# Altium PCB ISS_PCB.PcbDoc (part 2 of 4)
Units mm, origin at the board's own origin, x right, y up, seen from the top; angles counter-clockwise.
Board outline 90 x 90 mm, 4 copper layers (Signal+Parts, Power, GND, Signal), stack 1.591 mm thick; 230 components, 176 nets, 945 pads, 541 vias.
Unrouted connection lines stored in the file: 132.
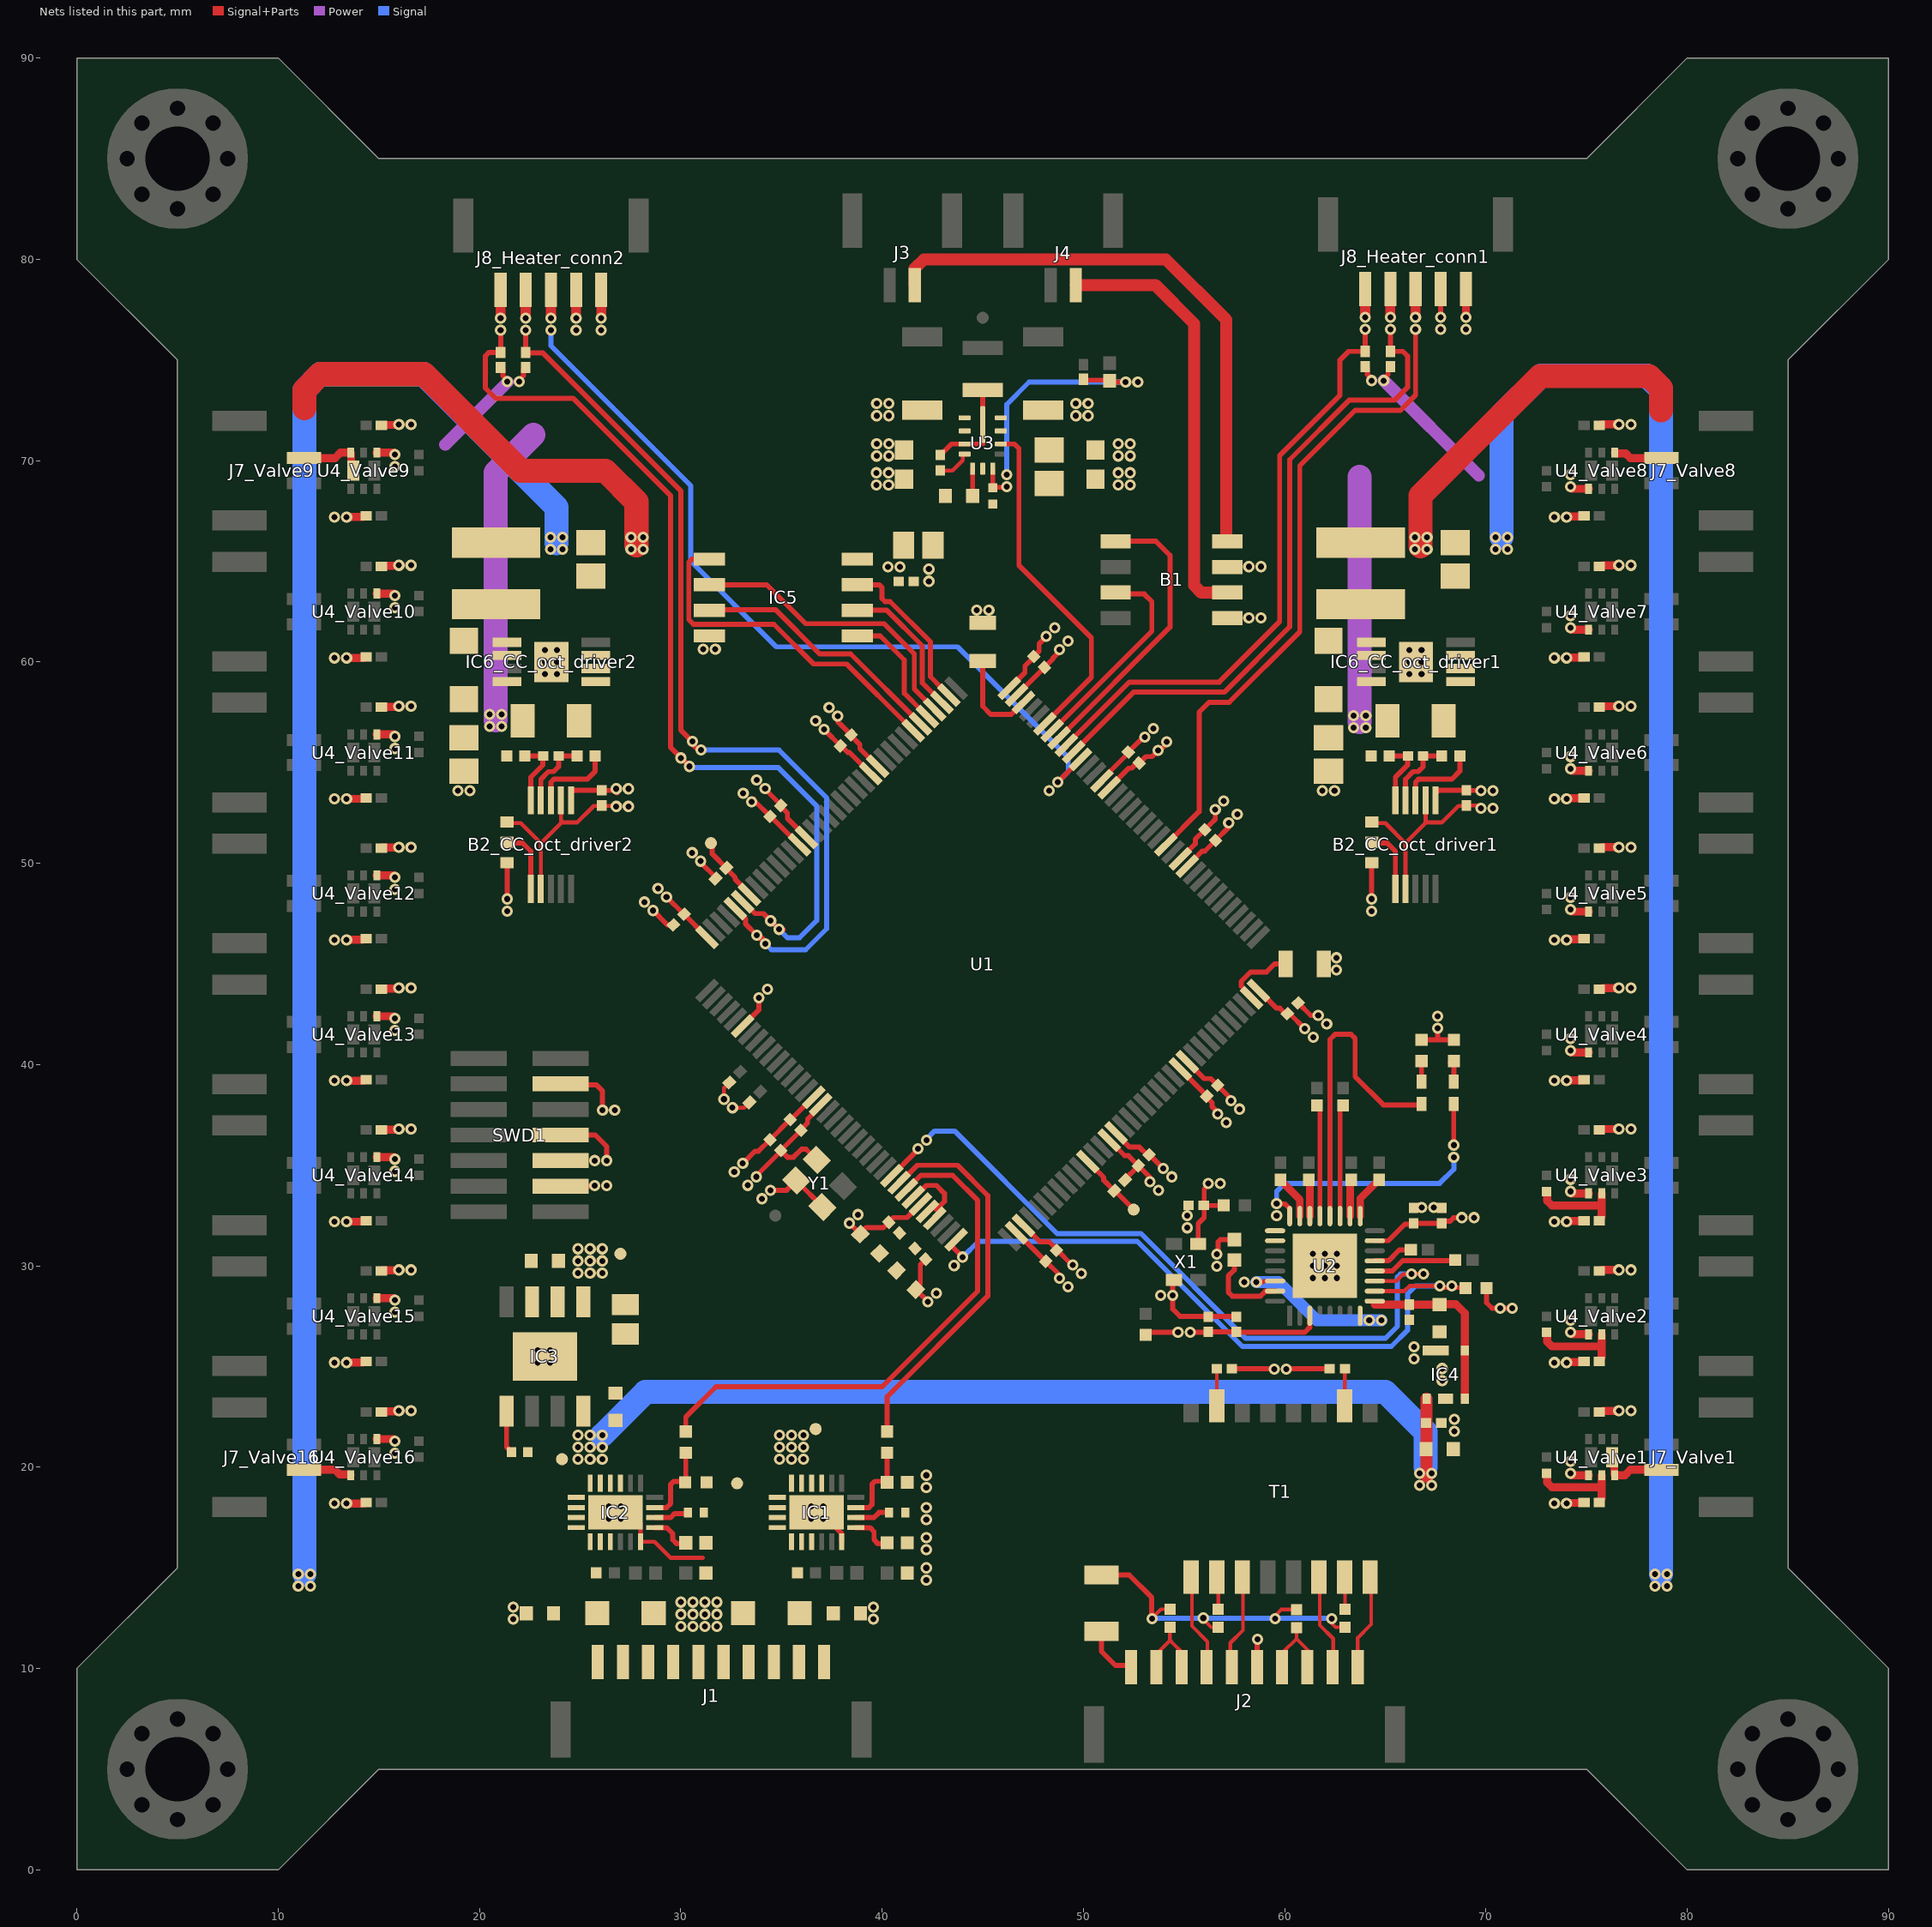
[diagram p4: the nets of this part, all layers, seen from the top]

## Part data
B1: "Smart Low Side Switch ICs", Manufacturer_Name="ROHM Semiconductor", Mouser Part Number=755-BM2LC105FJ-CE2, Datasheet Link=https://www.mouser.de/datasheet/2/348/bxxlc105fj-c-e-1807787.pdf, Geometry.Height=1.65mm, Manufacturer_Part_Number=BM2LC105FJ-CE2, Mouser Price/Stock=https://www.mouser.co.uk/ProductDetail/ROHM-Semiconductor/BM2LC105FJ-CE2?qs=YCa%2FAAYMW02vvU7sqt7v8g%3D%3D
B2_CC_oct_driver1 B2_CC_oct_driver2: "Automotive, 26-V, Bi-Directional, Zero-Drift, Low-/High-Side, I2C Out Current/Power Monitor", Manufacturer_Name="Texas Instruments", Mouser Part Number=595-INA220BQDGSRQ1, Datasheet Link=http://www.ti.com/lit/gpn/ina220-q1, Geometry.Height=1.1mm, Manufacturer_Part_Number=INA220BQDGSRQ1, Mouser Price/Stock=https://www.mouser.co.uk/ProductDetail/Texas-Instruments/INA220BQDGSRQ1?qs=4whTb%2F0XQMgSmfUlXJGxRQ%3D%3D
C1 C3 C4 C5 C8 C9 C12 C27 C40: library part CMP-2006-02363-4, Capacitance=1µF, Case Code (Imperial)=0603, Case Code (Metric)=1608, Dielectric=X7R, Manufacturer Lifecycle Status="IN PRODUCTION", Max Operating Temperature=125°C, Min Operating Temperature=-55°C, Ratings=AEC-Q200, Tolerance=10%, Voltage=25V, Case/Package=0603, Depth=800µm, Height=800µm, Lead Free="Lead Free", Length=1.6mm, Lifecycle Status=Production, Material=Ceramic, Mount="Surface Mount", NexarPartId=18909256, Packaging="Cut Tape", Radiation Hardening=No, REACH SVHC="No SVHC", RoHS=Compliant, Schedule B="8532240020, 8532240020", Termination=SMD/SMT, Thickness=889µm, Voltage Rating=25V, Voltage Rating (DC)=25V, Weight=6.293594mg, Width=787.4µm
C2 C6: library part CMP-06035-006656-1, "Ceramic Capacitor for Automotive 3.3nF ±10% 50VDC X7R 0402 Paper T/R", Capacitance=3.3nF, Case Code (Imperial)=0402, Case Code (Metric)=1005, Dielectric=X7R, Max Operating Temperature=125°C, Min Operating Temperature=-55°C, Package Quantity=50000, Tolerance=10%, Voltage Rating=50V, Case/Package=0402, Depth=0.5mm, Height=0.5mm, Length=1mm, Mount="Surface Mount", Packaging="Tape and Reel", Radiation Hardening=No, Termination=SMD/SMT, Voltage Rating (DC)=50V, Width=0.5mm
C7 C10 C11 C14 C15 C16 C17 C18 C19 C20 C21 C22 C23 C24 C28 C29 C32 C33 C34 C35 C36 C37 C39 C48_CC_oct_driver1 C48_CC_oct_driver2 C49_CC_oct_driver1 C49_CC_oct_driver2: library part CMP-2008-03711-3, "Ceramic Capacitor for Automotive 100nF ±10% 16VDC X7R 0402 Paper T/R", Capacitance=100nF, Case Code (Imperial)=0402, Case Code (Metric)=1005, Dielectric=X7R, Max Operating Temperature=125°C, Min Operating Temperature=-55°C, Package Quantity=1, Ratings=AEC-Q200, Tolerance=10%, Voltage=16V, Case/Package=0402, Depth=0.5mm, Height=0.5mm, Lead Free="Lead Free", Length=1mm, Mount="Surface Mount", Packaging="Tape and Reel", Radiation Hardening=No, REACH SVHC="No SVHC", Termination=SMD/SMT, Thickness=0.022inch, Voltage Rating=16V, Voltage Rating (DC)=16V, Width=0.02inch
C13: library part CMP-06035-049372-1, "Ceramic Capacitor for Automotive 4.7uF ±10% 25VDC X7S 0805 Embossed T/R", Capacitance=4.7uF, Case Code (Imperial)=0805, Case Code (Metric)=2012, Max Operating Temperature=125°C, Min Operating Temperature=-55°C, Ratings=AEC-Q200, Tolerance=10%, Voltage Rating=25V, Case/Package=0805, Mount="Surface Mount", Packaging="Cut Tape"
C25 C41: library part CMP-2008-03711-3, "Ceramic Capacitor for Automotive 100nF ±10% 16VDC X7R 0402 Paper T/R", Case Code (Imperial)=0402, Case Code (Metric)=1005, Dielectric=X7R, Max Operating Temperature=125°C, Min Operating Temperature=-55°C, Package Quantity=1, Ratings=AEC-Q200, Tolerance=10%, Voltage=16V, Capacitance=100nF, Case/Package=0402, Depth=0.5mm, Height=0.5mm, Lead Free="Lead Free", Length=1mm, Mount="Surface Mount", Packaging="Tape and Reel", Radiation Hardening=No, REACH SVHC="No SVHC", Termination=SMD/SMT, Thickness=0.022inch, Voltage Rating=16V, Voltage Rating (DC)=16V, Width=0.02inch
C26: library part CMP-06035-049372-1, "Ceramic Capacitor for Automotive 4.7uF ±10% 25VDC X7S 0805 Embossed T/R", Case Code (Imperial)=0805, Case Code (Metric)=2012, Max Operating Temperature=125°C, Min Operating Temperature=-55°C, Ratings=AEC-Q200, Tolerance=10%, Voltage Rating=25V, Capacitance=4.7uF, Case/Package=0805, Mount="Surface Mount", Packaging="Cut Tape"
C30 C31: library part CMP-06035-026512-1, "Ceramic Capacitor for Automotive 2.2uF ±10% 35VDC X7S 0805 Embossed T/R", Capacitance=2.2uF, Case Code (Imperial)=0805, Case Code (Metric)=2012, Max Operating Temperature=125°C, Min Operating Temperature=-55°C, Ratings=AEC-Q200, Tolerance=10%, Voltage Rating=35V, Case/Package=0805, Mount="Surface Mount", Packaging="Cut Tape"
C38: library part CMP-03020-034681-1, "CAP CER 1000PF 2KV X7R 1206", Capacitance=1nF, Case Code (Imperial)=1206, Case Code (Metric)=3216, Dielectric=X7R, Dielectric Material=Ceramic, Max Operating Temperature=125°C, Min Operating Temperature=-55°C, Package Quantity=1, Tolerance=10%, Voltage=2kV, Voltage Rating (DC)=2.5kV, Case/Package=1206, Construction=Flat, Depth=1.6mm, Dissipation Factor=2.5%, Height=1.6mm, Length=3.2mm, Mount="Surface Mount", Number of Pins=2, Packaging="Tape and Reel", Radiation Hardening=No, REACH SVHC="No SVHC", RoHS Compliant=Yes, Series=C, Termination=SMD/SMT, Thickness=0.069inch, Voltage Rating=2kV, Width=0.063inch
C42 C43: library part CMP-08246-001863-1, "Cap Ceramic 22uF 16V X5R 20% Pad SMD 1206 +85°C Automotive T/R", Case Code (Imperial)=1206, Case Code (Metric)=3216, Dielectric=X5R, Max Operating Temperature=85°C, Min Operating Temperature=-55°C, Package Quantity=2000, Ratings=AEC-Q200, Tolerance=20%, Voltage Rating=16V, Capacitance=22uF, Case/Package=1206, Height=1.6mm, Lead Free="Lead Free", Length=0.126inch, Mount="Surface Mount", Packaging="Tape and Reel", Termination=SMD/SMT, Thickness=0.071inch, Voltage Rating (DC)=16V, Weight=0.000571oz, Width=0.063inch
C44: library part CMP-2008-02607-1, Manufacturer="AVX Interconnect / Elco", Part Number=04025A200JAT2A
C45: library part CMP-06035-045423-1, "Ceramic Capacitor for Automotive 4.7uF ±10% 25VDC X7S 0805 Embossed T/R"
C46 C47: library part CMP-2006-02366-2, "Ceramic Capacitor for Automotive 220nF  ±10% 25VDC X7R 0603 Paper T/R", Case Code (Imperial)=0603, Case Code (Metric)=1608, Dielectric=X7R, Max Operating Temperature=125°C, Min Operating Temperature=-55°C, Package Quantity=1, Ratings=AEC-Q200, Tolerance=10%, Voltage=25V, Capacitance=220nF, Case/Package=0603, Depth=0.8mm, Height=0.8mm, Lead Free="Lead Free", Length=1.6mm, Mount="Surface Mount", Packaging="Tape and Reel", Radiation Hardening=No, Termination=SMD/SMT, Thickness=0.035inch, Voltage Rating=25V, Voltage Rating (DC)=25V, Width=0.031inch
C50_CC_oct_driver1 C50_CC_oct_driver2 C51_CC_oct_driver1 C51_CC_oct_driver2: library part CMP-06035-008164-1, "Multi-Layer Ceramic Capacitor 10uF 25V X7S ±10% 0805 Emboss T/R"
D1: "Diode ESD (Uni-directional)", Manufacturer_Name=Nexperia, Mouser Part Number=771-PTVS12VS1UR115, Arrow Part Number=PTVS12VS1UR,115, Arrow Price/Stock=https://www.arrow.com/en/products/ptvs12vs1ur115/nexperia?region=nac, Datasheet Link=https://assets.nexperia.com/documents/data-sheet/PTVSXS1UR_SER.pdf, Manufacturer_Part_Number=PTVS12VS1UR,115, Mouser Price/Stock=https://www.mouser.co.uk/ProductDetail/Nexperia/PTVS12VS1UR115?qs=LMSg3oBIm%2FiWSHvsyxWiLg%3D%3D
D2: library part CMP-14436-000018-1, "TVS DIODE 5VWM 9.2VC CFP3", RoHS Compliant=Yes
D3: library part CMP-57192-000002-1, "LED ORANGE CLEAR SMD", Case Code (Imperial)=0402, Case Code (Metric)=1005, Color=Orange, Forward Current=20mA, Forward Voltage=2V, Lens Color=Colorless, Max Operating Temperature=85°C, Min Operating Temperature=-40°C, Package Quantity=1, Case/Package=0402, Height=0.5mm, Illumination Color=Orange, Lead Free="Lead Free", Length=1mm, Lens Style=Clear, Lens Transparency=Clear, Luminous Intensity=120mcd, Mount="Surface Mount", Number of LEDs=1, Number of Pins=2, Packaging="Tape and Reel", Test Current=20mA, Viewing Angle=120°, Wavelength=610nm, Width=0.5mm
D4: library part CMP-57192-000001-1, "LED GREEN CLEAR SMD", Case Code (Imperial)=0402, Case Code (Metric)=1005, Color=Green, Forward Current=20mA, Forward Voltage=2.2V, Lens Color=Colorless, Max Operating Temperature=85°C, Min Operating Temperature=-40°C, Package Quantity=1, Approvals=UL, Case/Package=0402, Dominant Wavelength=574nm, Height=0.5mm, Illumination Color=Green, Lead Free="Lead Free", Length=1mm, Lens Style=Diffused, Lens Transparency=Clear, Luminous Intensity=45mcd, Mount="Surface Mount", Number of LEDs=1, Number of Pins=2, Packaging="Tape and Reel", Test Current=20mA, Viewing Angle=120°, Wavelength=574nm, Width=0.5mm
D5_CC_oct_driver1 D5_CC_oct_driver2: library part CMP-00030-65895446-1, "SS2FH6HM3/H Diode Schottky 60V 2A Automotive 2-Pin SMF T/R", Average Rectified Current=2A, Max Reverse Voltage (DC)=60V, Mount="Surface Mount", NexarPartId=65895446, Packaging="Cut Tape (CT)", RoHS=Compliant, Schedule B="8541100080, 8541100080"
IC1 IC2: "Integrated Circuit", Manufacturer_Name="Texas Instruments", Mouser Part Number=595-TPS25940AQRVCRQ1, Arrow Part Number=TPS25940AQRVCRQ1, Arrow Price/Stock=https://www.arrow.com/en/products/tps25940aqrvcrq1/texas-instruments, Datasheet Link=http://www.ti.com/lit/gpn/tps25940-q1, Height=0.8mm, Manufacturer_Part_Number=TPS25940AQRVCRQ1, Mouser Price/Stock=https://www.mouser.co.uk/ProductDetail/Texas-Instruments/TPS25940AQRVCRQ1?qs=osPbIpHqQ9Uam0Tf4VM8lQ%3D%3D
IC3: "Integrated Circuit", Manufacturer_Name="ROHM Semiconductor", Mouser Part Number=755-BD33GC0MEFJ-ME2, Datasheet Link=https://www.mouser.cl/datasheet/2/348/bdxxgc0mefj-m-e-1874062.pdf, Height=1mm, Manufacturer_Part_Number=BD33GC0MEFJ-ME2, Mouser Price/Stock=https://www.mouser.com/Search/Refine.aspx?Keyword=755-BD33GC0MEFJ-ME2
IC4: "Integrated Circuit", Manufacturer_Name=Infineon, Mouser Part Number=726-TLS202A1MBVHTSA1, Datasheet Link=https://www.infineon.com/dgdl/Infineon-TLS202A1MBV-DS-v01_00-EN.pdf?fileId=5546d46258fc0bc1015969d30cbf4211, Manufacturer_Part_Number=TLS202A1MBVHTSA1, Mouser Price/Stock=https://www.mouser.co.uk/ProductDetail/Infineon-Technologies/TLS202A1MBVHTSA1?qs=0DP5yvOrqYl%252BugsjRWokhA%3D%3D
IC5: "Integrated Circuit", Manufacturer_Name=Infineon, Mouser Part Number=727-S25FL064LAMFM013, Arrow Part Number=S25FL064LABMFM013, Arrow Price/Stock=https://www.arrow.com/en/products/s25fl064labmfm013/cypress-semiconductor, Datasheet Link=https://www.arrow.com/en/products/s25fl064labmfm013/cypress-semiconductor, Height=2.16mm, Manufacturer_Part_Number=S25FL064LABMFM013, Mouser Price/Stock=https://www.mouser.co.uk/ProductDetail/Infineon-Technologies/S25FL064LABMFM013?qs=HXFqYaX1Q2wJ3%252BtVnB80Jw%3D%3D
IC6_CC_oct_driver1 IC6_CC_oct_driver2: "LED Lighting Drivers LED MV Int Switch MSOP-8EP T&R 2.5K", Manufacturer_Name="Diodes Incorporated", Mouser Part Number=621-AL8861QMP-13, Datasheet Link=https://componentsearchengine.com/Datasheets/1/AL8861QMP-13.pdf, Geometry.Height=1.1mm, Manufacturer_Part_Number=AL8861QMP-13, Mouser Price/Stock=https://www.mouser.co.uk/ProductDetail/Diodes-Incorporated/AL8861QMP-13?qs=T3oQrply3y9Ug0fmv4aCFA%3D%3D
J1 J2: library part CMP-17439-000269-1, "CONN HEADER SMD 10POS 1.25MM", Flammability Rating="UL94 V-0", Insulation Color=Natural, Max Operating Temperature=85°C, Min Operating Temperature=-25°C, Voltage Rating=50V, Connector Type=Header, Contact Finish - Mating=TIN, Contact Material=Bronze, Contact Shape=Rectangular, Contact Type="Outer Shroud Contact", Fastening Type=Ramp, Insulation Material=Nylon, Mated Stacking Heights=7.3mm, Mount="Surface Mount", Number of Positions=10, Number of Rows=1, Packaging="Cut Tape", Series=GH, Termination=Solder
J3 J4 J7_Valve1 J7_Valve2 J7_Valve3 J7_Valve4 J7_Valve5 J7_Valve6 J7_Valve7 J7_Valve8 J7_Valve9 J7_Valve10 J7_Valve11 J7_Valve12 J7_Valve13 J7_Valve14 J7_Valve15 J7_Valve16: library part CMP-2000-07076-2, "CONN HEADER SMD R/A 2POS 1.25MM", Color=Natural, Current Rating=1A, Package Quantity=2500, Voltage Rating=50V, Connector Type="Outer Shroud Contact", Contact Material=Bronze, Contact Plating=Tin, Contact Type="Male Pin", Fastening Type=Latch, Housing Color=Natural, Housing Material=Nylon, Lead Free="Lead Free", Mount="Surface Mount", Number of Contacts=2, Number of Positions=2, Number of Rows=1, Orientation="Right Angle", Packaging="Tape and Reel", Pitch=0.049inch, Series=GH, Termination=Solder
J5_CC_oct_driver1 J5_CC_oct_driver2 J6_CC_oct_driver1 J6_CC_oct_driver2: library part CMP-009-00061-2, Pins=2
J8_Heater_conn1 J8_Heater_conn2: library part CMP-17439-000484-1, "Connector Header Surface Mount, Right Angle 5 position 0.049\" (1.25mm)"
L1: library part CMP-08253-000030-1, "Shielded Multilayer Inductor 2.2uH ±20% 1200mA 143mΩ SMD 1008", Case Code (Imperial)=1008, Case Code (Metric)=2520, Current Rating=1.2A, DC Resistance (DCR)=143mR, Inductance=2.5uH, Max Operating Temperature=125°C, Min Operating Temperature=-40°C, Package Quantity=3000, Test Frequency=2MHz, Tolerance=20%, Case/Package=1008, Core Material=Ferrite, Height - Seated (Max)=0.039inch, Length=0.098inch, Mount="Surface Mount", Packaging="Tape and Reel", RoHS Compliant=Yes, Shielding=Shielded, Width=0.079inch
L2_CC_oct_driver1 L2_CC_oct_driver2: library part CMP-03913-77814862-1, "74404043330A WE-LQS SMT Semi-Shielded Power Inductor", Ambient Temperature Range High=85°C, Ambient Temperature Range Low=-40°C, Current Rating=880mA, DC Resistance (DCR)=316mΩ, Inductance=33µH, Inductance Tolerance=20%, Max Operating Temperature=125°C, Height=2.5mm, Length=4mm, Min Operating Temperature=-40°C, NexarPartId=77814862, RoHS=Compliant, Width=4mm
R1 R7: library part CMP-2002-08148-1, Manufacturer="Vishay Dale", Part Number=CRCW0402110KFKED
R2: library part CMP-2002-08466-2, "RES Thick Film, 2.7kΩ, 1%, 0.063W, 100ppm/°C, 0402", Case Code (Imperial)=0402, Case Code (Metric)=1005, Max Operating Temperature=155°C, Max Power Dissipation=63mW, Min Operating Temperature=-55°C, Package Quantity=10, Resistance=2.7kR, Temperature Coefficient=100ppm/°C, Tolerance=1%, Voltage Rating=50V, Case/Package=0402, Composition="Thick Film", Contact Plating=Tin, Depth=0.5mm, Features="Automotive AEC-Q200", Height=0.35mm, Lead Free="Lead Free", Length=1mm, Military Standard=Not, Number of Pins=2, Number of Terminations=2, Packaging="Tape and Reel", Power Rating=63mW, Radiation Hardening=No, Termination=SMD/SMT, Voltage Rating (DC)=50V, Weight=2.3E-05oz, Width=0.02inch
R3 R10 R23 R26 R28 R29 R35: library part CMP-2002-08276-2, "RES Thick Film, 1kΩ, 1%, 0.063W, 100ppm/°C, 0402", Case Code (Imperial)=0402, Case Code (Metric)=1005, Max Operating Temperature=155°C, Max Power Dissipation=63mW, Min Operating Temperature=-55°C, Package Quantity=10, Resistance=1kR, Temperature Coefficient=100ppm/°C, Tolerance=1%, Voltage Rating=50V, Case/Package=0402, Composition="Thick Film", Contact Plating=Tin, Depth=0.5mm, Features="Automotive AEC-Q200", Height=0.35mm, Lead Free="Lead Free", Length=1mm, Military Standard=Not, Mount="Surface Mount", Number of Pins=2, Number of Terminations=2, Packaging="Tape and Reel", Power Rating=63mW, Radiation Hardening=No, Termination=SMD/SMT, Voltage Rating (DC)=50V, Weight=2.3E-05oz, Width=0.5mm
R4 R11: library part CMP-2002-08403-1, Manufacturer="Vishay Dale", Part Number=CRCW040224K0FKED
R5 R9: library part CMP-2002-00254-1, Manufacturer="Vishay Dale", Part Number=CRCW04028K20FKED
R6: library part CMP-1011-00647-2, Manufacturer=Panasonic, Part Number=ERJ-2RKF1692X
R8: library part CMP-2002-08123-3, "RES Thick Film, 100kΩ, 1%, 0.063W, 100ppm/°C, 0402", Case Code (Imperial)=0402, Case Code (Metric)=1005, Max Operating Temperature=155°C, Max Power Dissipation=63mW, Min Operating Temperature=-55°C, Package Quantity=10000, Resistance=100kR, Temperature Coefficient=100ppm/°C, Tolerance=1%, Voltage Rating=50V, Case/Package=0402, Composition="Thick Film", Contact Plating=Tin, Depth=0.5mm, Features="Automotive AEC-Q200", Height=0.35mm, Lead Free="Lead Free", Length=1mm, Military Standard=Not, Mount="Surface Mount", Number of Pins=2, Number of Terminations=2, Packaging="Tape and Reel", Power Rating=63mW, Radiation Hardening=No, Termination=SMD/SMT, Voltage Rating (DC)=50V, Weight=2.3E-05oz, Width=0.02inch
R12: library part CMP-2002-00208-2, "RES Thick Film, 75kΩ, 1%, 0.063W, 100ppm/°C, 0402", Case Code (Imperial)=0402, Case Code (Metric)=1005, Max Operating Temperature=155°C, Max Power Dissipation=63mW, Min Operating Temperature=-55°C, Package Quantity=10, Resistance=75kR, Temperature Coefficient=100ppm/°C, Tolerance=1%, Voltage Rating=50V, Case/Package=0402, Composition="Thick Film", Contact Plating=Tin, Depth=0.5mm, Features="Automotive AEC-Q200", Height=0.35mm, Lead Free="Lead Free", Length=1mm, Military Standard=Not, Mount="Surface Mount", Number of Pins=2, Number of Terminations=2, Packaging="Tape and Reel", Power Rating=63mW, Radiation Hardening=No, Termination=SMD/SMT, Voltage Rating (DC)=50V, Weight=2.3E-05oz, Width=0.02inch
R13: library part CMP-2002-08529-2, Case Code (Imperial)=0402, Case Code (Metric)=1005, Max Operating Temperature=155°C, Max Power Dissipation=63mW, Min Operating Temperature=-55°C, Resistance=33.2kΩ, Temperature Coefficient=100ppm/°C, Tolerance=1%, Voltage Rating=50V, Case/Package=0402, Composition="Thick Film", Contact Plating=Tin, Depth=500µm, Features="Automotive AEC-Q200", Height=350µm, Lead Free="Lead Free", Length=1mm, Military Standard=Not, Mount="Surface Mount", NexarPartId=39869749, Number of Pins=2, Number of Terminations=2, Packaging="Cut Tape", Power Rating=63mW, Radiation Hardening=No, REACH SVHC=Unknown, RoHS=Compliant, Schedule B="8533210045, 8533210045", Termination=SMD/SMT, Voltage Rating (DC)=50V, Weight=652.039032µg, Width=500µm
R14 R15 R16 R17 R41_Valve1 R41_Valve2 R41_Valve3 R41_Valve4 R41_Valve5 R41_Valve6 R41_Valve7 R41_Valve8 R41_Valve9 R41_Valve10 R41_Valve11 R41_Valve12 R41_Valve13 R41_Valve14 R41_Valve15 R41_Valve16 R42_Valve1 R42_Valve2 R42_Valve3 R42_Valve4 R42_Valve5 R42_Valve6 R42_Valve7 R42_Valve8 R42_Valve9 R42_Valve10 R42_Valve11 R42_Valve12 R42_Valve13 R42_Valve14 R42_Valve15 R42_Valve16 R44_Heater_conn1 R44_Heater_conn2 R45_Heater_conn1 R45_Heater_conn2: library part CMP-02407-012085-1, "RES 10K OHM 1% 1/16W 0402", Case/Package=Molded, Max Operating Temperature=155°C, Min Operating Temperature=-55°C, Power Rating=62.5mW, Resistance=10kR, Resistor Type="Thick Film", Temperature Coefficient=100ppm/°C, Tolerance=1%, Contact Plating=Tin, Lead Free="Lead Free", Length=1mm, Mount="Surface Mount", RoHS Compliant=Yes, Termination=Wraparound
R18 R19 R20 R21 R22 R24 R25 R27: library part CMP-03412-045460-1, "RES 33Ω ±5% 0.063W 0402", Case Code (Imperial)=0402, Case Code (Metric)=1005, Max Operating Temperature=155°C, Max Power Dissipation=63mW, Min Operating Temperature=-55°C, Power Rating=62.5mW, Resistance=33R, Resistor Type="Thick Film", Temperature Coefficient=100ppm/°C, Tolerance=5%, Voltage Rating=50V, Case/Package=0402, Features="Moisture Resistant", Height=0.015inch, Lead Free="Lead Free", Length=0.039inch, Number of Terminations=2, Packaging="Tape and Reel", RoHS Compliant=Yes, Series=AC, Size Code=0402, Termination=SMD/SMT, Weight=2.3E-05oz, Width=0.5mm
R30: library part CMP-1011-00598-3, "RES Thick Film, 6.04kΩ, 1%, 0.063W, 100ppm/°C, 0402", Case Code (Imperial)=0402, Case Code (Metric)=1005, Max Operating Temperature=155°C, Max Power Dissipation=63mW, Min Operating Temperature=-55°C, Package Quantity=10, Resistance=6.04kR, Temperature Coefficient=100ppm/°C, Tolerance=1%, Voltage Rating=50V, Case/Package=0402, Composition="Thick Film", Contact Plating=Tin, Depth=0.5mm, Features="Automotive AEC-Q200", Height=0.35mm, Lead Free="Lead Free", Length=1mm, Military Standard=Not, Number of Pins=2, Number of Terminations=2, Packaging="Tape and Reel", Power Rating=63mW, Radiation Hardening=No, Termination=SMD/SMT, Voltage Rating (DC)=50V, Weight=2.3E-05oz, Width=0.02inch
R31 R32 R33 R34: library part CMP-2002-00210-1, Manufacturer="Vishay Dale", Part Number=CRCW040275R0FKED
R36: library part CMP-2000-06984-2, "100kΩ ±1% 0.063W 0402 Thick Film Chip Resistor AEC-Q200 compliant", Case Code (Imperial)=0402, Case Code (Metric)=1005, Max Operating Temperature=155°C, Max Power Dissipation=63mW, Min Operating Temperature=-55°C, Power Rating=62.5mW, Resistance=100kR, Resistor Type="Thick Film", Temperature Coefficient=100ppm/°C, Tolerance=1%, Case/Package=0402, Construction=Rectangular, Contact Plating=Tin, Depth=0.5mm, Features="Automotive AEC-Q200", Height=0.016inch, Lead Free="Lead Free", Length=1mm, Military Standard=Not, Mount="Surface Mount", Number of Terminations=2, Packaging="Tape and Reel", Radiation Hardening=No, RoHS Compliant=Yes, Series=RMCF, Size Code=0402, Width=0.02inch
R37: library part CMP-2002-00967-3, "Chip Resistor, 49.9 KOhm, +/- 1%, 100 mW, -55 to 155 degC, 0402 (1005 Metric), RoHS, Tape and Reel", Case Code (Imperial)=0402, Case Code (Metric)=1005, Manufacturer="Basic Passives", Max Operating Temperature="155 degC", Min Operating Temperature="-55 degC", Package Quantity=10000, PartNumber=ERJ-2RKF4992X, Power Rating="100 mW", Resistance="49.9 KOhm", Tolerance=1%, Voltage Rating="50 V", Case\/Package=0402, ComponentLink1Description="Manufacturer URL", ComponentLink1URL=http://www.panasonic.com/, ComponentLink2Description=Datasheet, ComponentLink2URL=http://industrial.panasonic.com/cdbs/www-data/pdf/RDA0000/AOA0000C86.pdf, DatasheetVersion=04/2015, Height="0.35 mm", Length="1 mm", Mount="Surface Mount", Mounting Technology="Surface Mount", PackageDescription="2-Pin Surface Mount Device, Body 1 x 0.5 mm", PackageReference=0402, Packaging="Tape and Reel", Pins=2, Radiation Hardening=No, REACH SVHC="No SVHC", RoHSCompliant=true, Width="0.5 mm"
R38_CC_oct_driver1 R38_CC_oct_driver2 R39_CC_oct_driver1 R39_CC_oct_driver2: library part CMP-2002-08143-1, Manufacturer="Vishay Dale", Part Number=CRCW040210R0FKED
R40_CC_oct_driver1 R40_CC_oct_driver2: library part Resistor, "Resistor"
R43_Valve1 R43_Valve2 R43_Valve3 R43_Valve4 R43_Valve5 R43_Valve6 R43_Valve7 R43_Valve8 R43_Valve9 R43_Valve10 R43_Valve11 R43_Valve12 R43_Valve13 R43_Valve14 R43_Valve15 R43_Valve16: library part CMP-1011-00397-3, "RES Thick Film, 100Ω, 1%, 0.063W, 100ppm/°C, 0402", Case Code (Imperial)=0402, Case Code (Metric)=1005, Max Operating Temperature=155°C, Max Power Dissipation=63mW, Min Operating Temperature=-55°C, Package Quantity=10, Resistance=100R, Temperature Coefficient=100ppm/°C, Tolerance=1%, Voltage Rating=50V, Case/Package=0402, Composition="Thick Film", Contact Plating=Tin, Depth=0.5mm, Features="Automotive AEC-Q200", Height=0.35mm, Lead Free="Lead Free", Length=1mm, Military Standard=Not, Mount="Surface Mount", Number of Terminations=2, Packaging="Tape and Reel", Power Rating=63mW, Radiation Hardening=No, Termination=SMD/SMT, Voltage Rating (DC)=50V, Weight=2.3E-05oz, Width=0.02inch, Working Voltage=50V
SWD1: library part CMP-02766-001448-1, "CONN HEADER SMD 14POS 1.27MM", Color=Black, Max Operating Temperature=125°C, Min Operating Temperature=-55°C, Package Quantity=1, Connector Type="Male Pin", Contact Material=Bronze, Contact Mating Length=0.12inch, Contact Plating=Gold, Contact Type="Male Pin", Depth=5.84mm, Gender=Male, Housing Color=Black, Housing Material=Polymer, Lead Free="Lead Free", Length=8.89mm, Mount="Surface Mount", Number of Contacts=14, Number of Positions=14, Number of Rows=2, Orientation=Straight, Packaging=Rail/Tube, Pitch=1.27mm, Radiation Hardening=No, RoHS Compliant=Yes, Row Spacing=0.05inch, Series=FTSH, Termination=Solder
T1: "Transformer", Manufacturer_Name="Pulse Electronics", Mouser Part Number=673-HM1188NL, Arrow Part Number=HM1188NL, Arrow Price/Stock=https://www.arrow.com/en/products/hm1188nl/pulse-electronics-corporation?region=nac, Datasheet Link=https://componentsearchengine.com/Datasheets/1/HM1188NL.pdf, Height=5.969mm, Manufacturer_Part_Number=HM1188NL, Mouser Price/Stock=https://www.mouser.co.uk/ProductDetail/Pulse-Electronics/HM1188NL?qs=IbBl3rwNelMAAot5OPq3lA%3D%3D
TP1 TP2 TP3 TP4 TP5 TP6 TP7 TP8: library part CMP-00028-00002-2, "0.6mm round", Pins=1
U1: library part CMP-0243-00053-2, "ARM Cortex-M4 32-bit MCU+FPU, 210 DMIPS, 2048 kB Flash, 256 kB Internal RAM, 114 I/Os, 144-pin LQFP, -40 to 85 degC, Tray", I/Os (High Current)=114, Manufacturer=STMicroelectronics, Operating Frequency(F) (Processor speed) (MHz)=168, Supply Voltage(Vcc) max (V)=3.6, Supply Voltage(Vcc) min (V)=1.8, ComponentLink1Description="Manufacturer URL", ComponentLink1URL=http://www.st.com/web/en/home.html, ComponentLink2Description=Datasheet, ComponentLink2URL=http://www.st.com/st-web-ui/static/active/en/resource/technical/document/datasheet/DM00071990.pdf, ComponentLink3Description="Package Specification", ComponentLink3URL=http://www.st.com/st-web-ui/static/active/en/resource/technical/document/datasheet/DM00037051.pdf, Core="ARM Cortex-M4", D/A Converter=2x12-bit, DatasheetVersion="Rev. 1", FLASH Size (Prog) (kB)=2048, Internal RAM Size (kB)=256, Mounting Technology="Surface Mount", PackageDescription="144-Pin Low Profile Quad Flat Package, 20 x 20 mm Body, 0.5 mm Pitch", PackageReference=LQFP144, PackageVersion="Rev. 4, 06/2013", Packing=Tray, PartNumber=STM32F427ZIT6
U2: library part CMP-06281-000125-1, "IC TRANSCEIVER FULL 1/1 32QFN", Case/Package=QFN, Max Operating Temperature=105°C, Max Supply Voltage=3.465V, Min Operating Temperature=-40°C, Min Supply Voltage=1.14V, Data Rate=100Mbps, Mount="Surface Mount", Number of Pins=32, Packaging=Tray, REACH SVHC="No SVHC", RoHS Compliant=No, Series=-, Simplex/Duplex="Full Duplex"
U3: library part CMP-04918-000451-1, "IC REG BUCK ADJ 1.5A 12VQFN", RoHS Compliant=Yes
U4_Valve1 U4_Valve2 U4_Valve3 U4_Valve4 U4_Valve5 U4_Valve6 U4_Valve7 U4_Valve8 U4_Valve9 U4_Valve10 U4_Valve11 U4_Valve12 U4_Valve13 U4_Valve14 U4_Valve15 U4_Valve16: SupplierPartNumber=DMN3032LFDBQ-13, Mouser URL=https://www.mouser.pl/ProductDetail/Diodes-Incorporated/DMN3032LFDBQ-13?qs=icAhCOE9Tbh4ep37eQESbg%3D%3D
X1: "XTAL OSC XO 25.0000MHZ CMOS SMD", Manufacturer_Name=KYOCERA, Mouser Part Number=581-MC2016K25.C16ESH, Datasheet Link=https://media.digikey.com/pdf/Data%20Sheets/AVX%20PDFs/MC2016K25.0000C16ESH_Spec~.pdf, Geometry.Height=0.8mm, Manufacturer_Part_Number=MC2016K25.0000C16ESH, Mouser Price/Stock=https://www.mouser.co.uk/ProductDetail/KYOCERA-AVX/MC2016K25.0000C16ESH?qs=yTuLhIm%2Fv1ApwYpapkX4jg%3D%3D
Y1: "Crystal or Oscillator", Manufacturer_Name="Kyocera AVX", Mouser Part Number=346-MC2520Z8.00000C1, Datasheet Link=https://kr.mouser.com/datasheet/2/909/clock_mcz_xz_e-1845782.pdf, Height=0.9mm, Manufacturer_Part_Number=MC2520Z8.00000C19XSH, Mouser Price/Stock=https://www.mouser.co.uk/ProductDetail/Kyocera-Electronic-Components/MC2520Z800000C19XSH?qs=GBLSl2AkiruYmi3bsNLTwA%3D%3D

## Via types
v1: diameter 0.56, hole 0.3, Signal+Parts to Signal, tented both sides, 541 vias

## Nets (pads, with @x,y where several pads share a name; then routed paths per layer and width w, separated by ;. In a path a pad name is that pad's centre, name@x,y a point inside that pad or via, vN(x,y) a via of type N, cw(c..) or ccw(c..) an arc to the next point about the centre after c; other vN are vias at no path point)
1.2V_ETH: C11.1 C12.1 IC4.3 IC4.4 U2.8 U2.9 U2.30 | length 16.8
  Signal+Parts w0.203: v1(58.598,29.199) 58.924,29.199 58.975,29.25 U2.30@59.5,29.25
  Signal+Parts w0.4: 64.475,28.079 C11.1@66.2,28.079 ; C11.1@66.223,28.077 67.698,28.077 C12.1@67.7,28.075 ; C12.1@67.7,28.1 68.5,28.1 68.95,27.65 IC4.4@68.95,25.8 IC4.3@68.95,23.4
  Signal w0.6: v1(58.598,29.199) 59.701,29.199 61.599,27.301 v1(64.202,27.301) ; v1@64.199,27.301 v1(64.802,27.301)
  other v1: 57.998,29.199
5V_current: R10.2 U1.29 | length 26.7
  Signal+Parts w0.254: R10.2@30.25,21.775 30.25,22.5 31.75,24 40,24 44.75,28.75 44.75,33.25 43.5,34.5 41.925,34.5 U1.29@41.199,33.775
12V_current: R3.2 U1.28 | length 19
  Signal+Parts w0.254: R3.2@40.25,21.775 40.25,23.5 45.25,28.5 45.25,33.5 43.75,35 41.75,35 U1.28@41,34.25
+3V3: B2_CC_oct_driver1.6 B2_CC_oct_driver2.6 C4.1 C7.1 C8.1 C13.1 C14.1 C15.1 C16.1 C17.1 C18.1 C19.1 C20.1 C21.1 C22.1 C23.1 C24.1 C25.1 C26.1 C27.1 C28.1 C29.1 C32.1 C33.1 C34.1 C35.1 C39.2 C49_CC_oct_driver1.2 C49_CC_oct_driver2.2 IC3.1 IC3.2 IC5.8 J5_CC_oct_driver1.2 J5_CC_oct_driver2.2 R14.1 R15.1 R23.1 R26.1 R28.1 R29.1 R35.1 R41_Valve1.2 R41_Valve2.2 R41_Valve3.2 R41_Valve4.2 R41_Valve5.2 R41_Valve6.2 R41_Valve7.2 R41_Valve8.2 R41_Valve9.2 R41_Valve10.2 R41_Valve11.2 R41_Valve12.2 R41_Valve13.2 R41_Valve14.2 R41_Valve15.2 R41_Valve16.2 R44_Heater_conn1.2 R44_Heater_conn2.2 R45_Heater_conn1.2 R45_Heater_conn2.2 SWD1.3 TP4.1 U1.17 U1.30 U1.32 U1.33 U1.39 U1.52 U1.62 U1.72 U1.84 U1.95 U1.108 U1.121 U1.131 U1.144 U2.3 U2.15 X1.4 Y1.4 | length 101.8
  Signal+Parts w0.203: v1(32.146,38.279) 32.146,38.843 32.289,38.986 32.289,39.112 R14.1@32.289,39.128 ; v1(32.57,37.855) 33.138,37.855 33.279,37.996 R15.1@33.421,37.996
  Signal+Parts w0.25: R45_Heater_conn2.2@21.05,74.624 21.161,74.513 21.161,74.223 21.35,74.034 v1@21.35,73.925 ; J5_CC_oct_driver2.2@21.374,49.876 21.377,49.879 J5_CC_oct_driver2.2@21.377,49.95 ; J5_CC_oct_driver2.2@21.374,50.026 21.374,48.276 v1@21.4,48.25 ; v1@21.975,73.975 21.975,74.011 22.189,74.225 22.189,74.513 R44_Heater_conn2.2@22.3,74.624 ; SWD1.3@24.035,33.96 24.047,33.972 25.747,33.972 v1@25.75,33.975 ; B2_CC_oct_driver2.6@24.577,53.5 24.705,53.629 C49_CC_oct_driver2.2@26.077,53.629 26.09,53.615 26.712,53.615 v1@26.827,53.5 ; v1(29.292,48.318) 29.305,48.318 C14.1@30.111,47.511 ; C14.1@30.1,47.5 30.13,47.5 31.3,46.331 U1.144@31.3,46.326 ; v1(33.526,53.052) 33.712,53.052 C24.1@34.432,52.332 ; v1@33.6,53.171 v1@33.6,53.2 ; v1@33.7,34.5 33.779,34.5 C29.1@34.968,35.689 ; C24.1@34.5,52.291 35.869,50.922 U1.131@35.896,50.922 ; C29.1@34.968,35.732 C17.1@35.968,36.732 ; C29.1@35,35.7 35.3,35.4 35.6,35.4 36,35.8 36.225,35.8 Y1.4@36.759,35.267 ; C17.1@36,36.8 36.3,37.1 36.3,37.29 36.957,37.947 U1.17@36.957,38.017 ; v1@37.1,56.6 37.171,56.6 37.932,55.839 C15.1@37.932,55.832 ; C15.1@37.9,55.9 38.3,55.5 38.389,55.5 U1.121@39.432,54.458 ; U1.30@41.553,33.421 41.624,33.421 42.202,34 42.7,34 43.1,33.6 43.1,33.2 42.7,32.8 ; U1.108@46.326,58.7 47.1,59.474 47.1,59.8 C21.1@47.5,60.2 ; U1.39@47.033,32.007 47.84,31.2 48.3,31.2 C19.1@48.7,30.8 ; C21.1@47.532,60.268 47.8,60.535 47.8,60.9 v1@48.1,61.2 ; C19.1@48.689,30.789 49.431,30.048 v1(49.474,30.048) ; U1.95@50.922,54.104 50.922,54.156 C18.1@52.2,55.434 ; U1.52@51.8,36.4 52.3,35.9 52.786,35.9 53.168,35.518 C20.1@53.268,35.518 ; C18.1@52.232,55.518 53.1,56.385 v1@53.1,56.4 ; C20.1@53.277,35.527 53.956,34.848 v1(53.974,34.848) ; R35.1@53.301,26.701 v1(54.702,26.701) ; U1.84@55,50.4 55,50.404 55.559,50.963 55.559,51.195 C23.1@56.032,51.668 56.307,51.942 56.552,52.188 v1(56.552,52.674) ; v1(55.302,26.701) 55.311,26.711 56.19,26.711 C32.1@56.2,26.721 57.579,26.721 C33.1@57.6,26.7 ; U1.62@55.3,40 56,39.3 56.335,39.3 C16.1@56.668,38.968 57.335,38.3 v1(57.335,38.213) ; X1.4@55.7,31.1 55.7,32.1 56,32.4 C39.2@56,33 ; v1(56.198,34.099) 56.198,34.016 56,33.817 C39.2@56,33 ; R28.1@57,33 R28.1@56.975,33 C39.2@56,33 ; C33.1@57.6,26.721 C33.1@57.617,26.738 ; C33.1@57.7,26.7 61,26.7 61.245,26.945 61.245,27.519 U2.3@61.25,27.525 ; U1.72@58.9,43.5 59.6,42.8 59.762,42.8 60.029,42.532 C22.1@60.132,42.532 ; C22.1@60.268,42.51 v1(61.002,41.776) ; R45_Heater_conn1.2@64,74.674 64.111,74.563 64.111,74.273 64.35,74.034 v1@64.35,74 ; J5_CC_oct_driver1.2@64.324,49.876 64.327,49.879 J5_CC_oct_driver1.2@64.327,49.95 ; J5_CC_oct_driver1.2@64.324,50.026 64.324,48.276 v1@64.35,48.25 ; U2.15@64.475,31.25 65.15,31.25 65.978,32.078 C34.1@66.378,32.078 ; v1@64.875,73.975 64.875,74.011 65.139,74.275 65.139,74.563 R44_Heater_conn1.2@65.25,74.674 ; C34.1@66.4,32.121 C35.1@67.779,32.121 ; R26.1@66.8,41.225 68.225,41.225 R23.1@68.3,41.3 ; B2_CC_oct_driver1.6@67.527,53.5 67.655,53.629 C49_CC_oct_driver1.2@69.027,53.629 69.04,53.615 69.662,53.615 v1@69.777,53.5 ; 67.6,41.3 v1(67.599,41.802) ; C35.1@67.8,32.121 67.901,32.223 68.223,32.223 68.388,32.388 68.789,32.388 v1(68.802,32.401) ; R29.1@70.025,28.9 70.025,28.175 70.3,27.9 v1@71.4,27.9
  Signal+Parts w0.4: R41_Valve16.2@15.126,22.75 15.151,22.775 15.975,22.775 v1(16,22.8) ; R41_Valve15.2@15.126,29.75 15.151,29.775 15.975,29.775 v1(16,29.8) ; R41_Valve14.2@15.126,36.75 15.151,36.775 15.975,36.775 v1(16,36.8) ; R41_Valve13.2@15.126,43.75 15.151,43.775 15.975,43.775 v1(16,43.8) ; R41_Valve12.2@15.126,50.75 15.151,50.775 15.975,50.775 v1(16,50.8) ; R41_Valve11.2@15.126,57.75 15.151,57.775 15.975,57.775 v1(16,57.8) ; R41_Valve10.2@15.126,64.75 15.151,64.775 15.975,64.775 v1(16,64.8) ; R41_Valve9.2@15.126,71.75 15.151,71.775 15.975,71.775 v1(16,71.8) ; v1(74,18.2) 74.025,18.225 74.849,18.225 R41_Valve1.2@74.874,18.25 ; v1(74,25.2) 74.025,25.225 74.849,25.225 R41_Valve2.2@74.874,25.25 ; v1(74,32.2) 74.025,32.225 74.849,32.225 R41_Valve3.2@74.874,32.25 ; v1(74,39.2) 74.025,39.225 74.849,39.225 R41_Valve4.2@74.874,39.25 ; v1(74,46.2) 74.025,46.225 74.849,46.225 R41_Valve5.2@74.874,46.25 ; v1(74,53.2) 74.025,53.225 74.849,53.225 R41_Valve6.2@74.874,53.25 ; v1(74,60.2) 74.025,60.225 74.849,60.225 R41_Valve7.2@74.874,60.25 ; v1(74,67.2) 74.025,67.225 74.849,67.225 R41_Valve8.2@74.874,67.25
  Power w0.6: 18.3,70.8 v1@21.4,73.9 ; v1(64.924,73.976) 69.648,69.252
  other v1: 73.4,18.2 16.6,22.8 73.4,25.2 70.702,27.901 71.302,27.901 49.898,29.624 24.899,29.649 25.499,29.649 26.099,29.649 16.6,29.8 24.899,30.249 25.499,30.249 26.099,30.249 24.899,30.849 25.499,30.849 26.099,30.849 73.4,32.2 69.402,32.401 25.717,33.983 26.317,33.983 33.324,34.002 56.798,34.099 33.748,34.426 54.398,34.424 16.6,36.8 57.759,37.789 73.4,39.2 61.426,41.352 67.599,42.402 16.6,43.8 73.4,46.2 21.374,47.626 64.324,47.626 21.374,48.226 64.324,48.226 28.867,48.742 16.6,50.8 56.976,53.098 73.4,53.2 33.102,53.476 69.749,53.601 70.349,53.601 26.799,53.701 27.399,53.701 53.052,56.274 37.126,56.652 53.476,56.698 36.702,57.076 16.6,57.8 73.4,60.2 48.152,61.274 48.576,61.698 40.293,64.727 40.893,64.727 16.6,64.8 73.4,67.2 16.6,71.8 21.374,73.926 21.974,73.926 64.324,73.976